# Altium PCB PCB_Kur.PcbDoc
Units mm, origin at the board's own origin, x right, y up, seen from the top; angles counter-clockwise.
Board outline 60 x 40 mm, 2 copper layers (Top Layer, Bottom Layer), stack 1.57 mm thick; 35 components, 22 nets, 155 pads, 47 vias.
Unrouted connection lines stored in the file: 20.
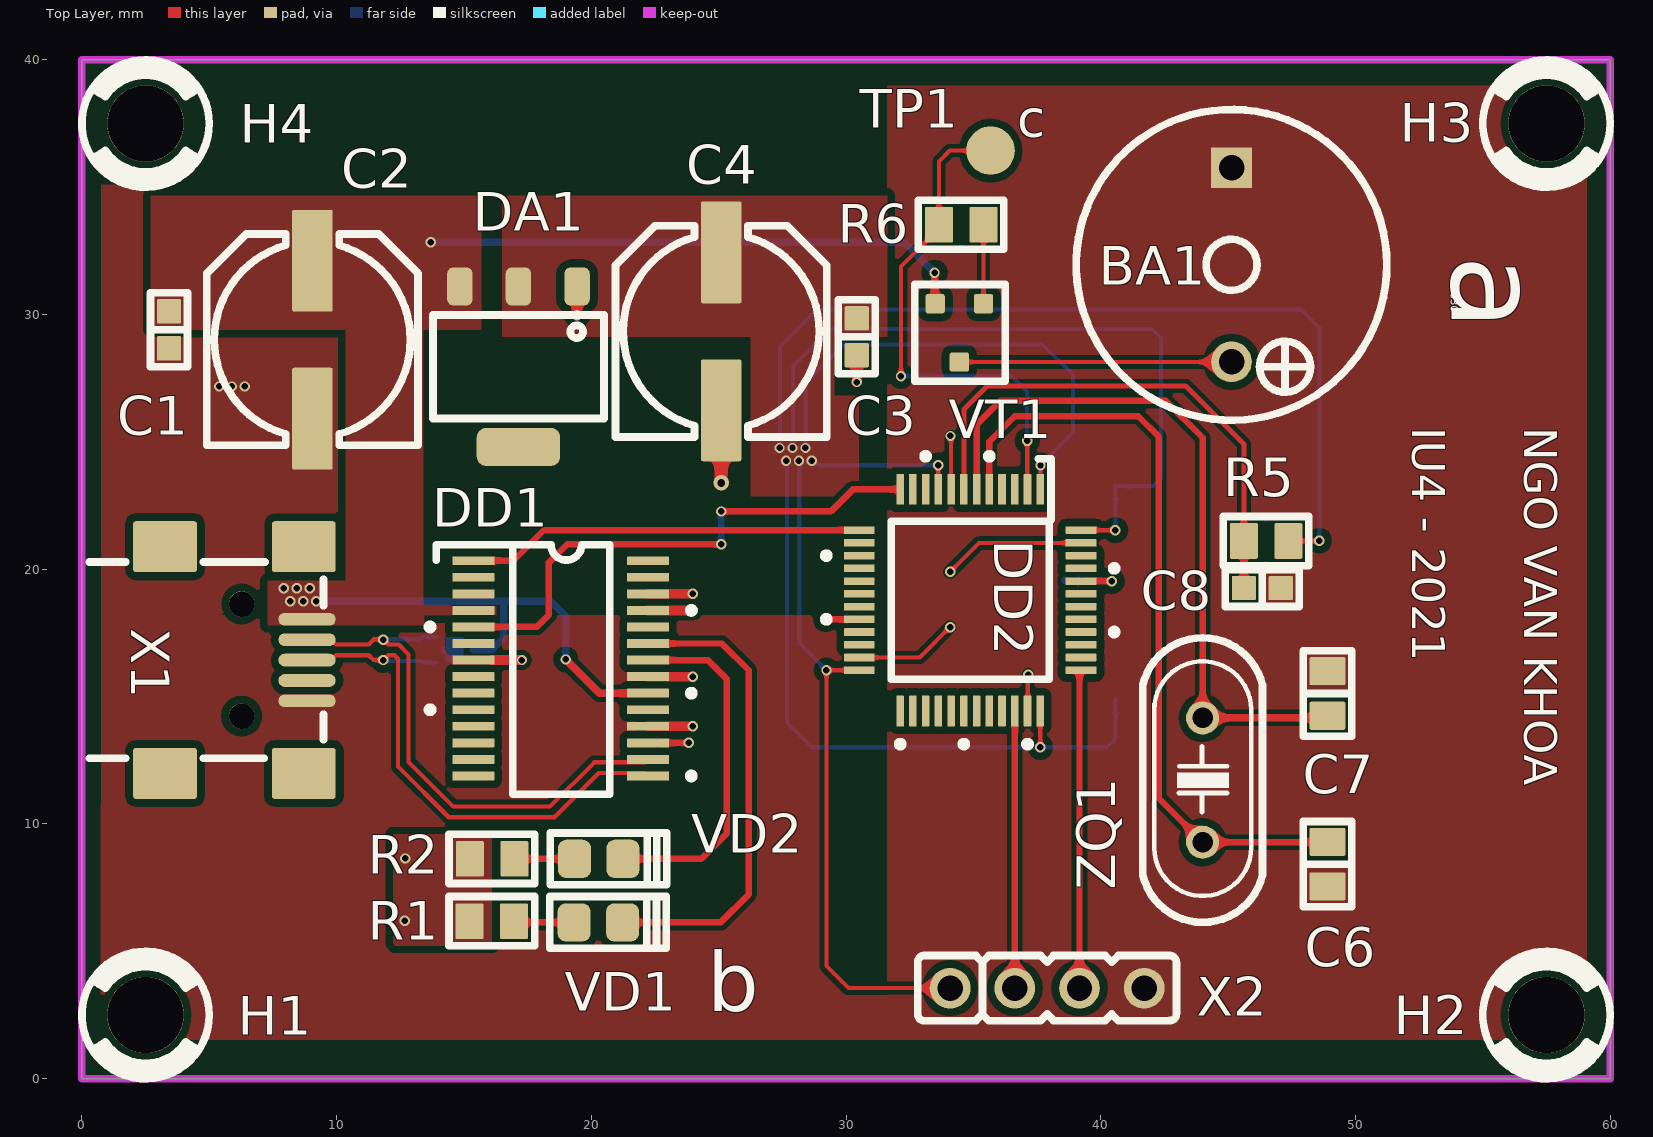
[diagram p0: Top Layer view]
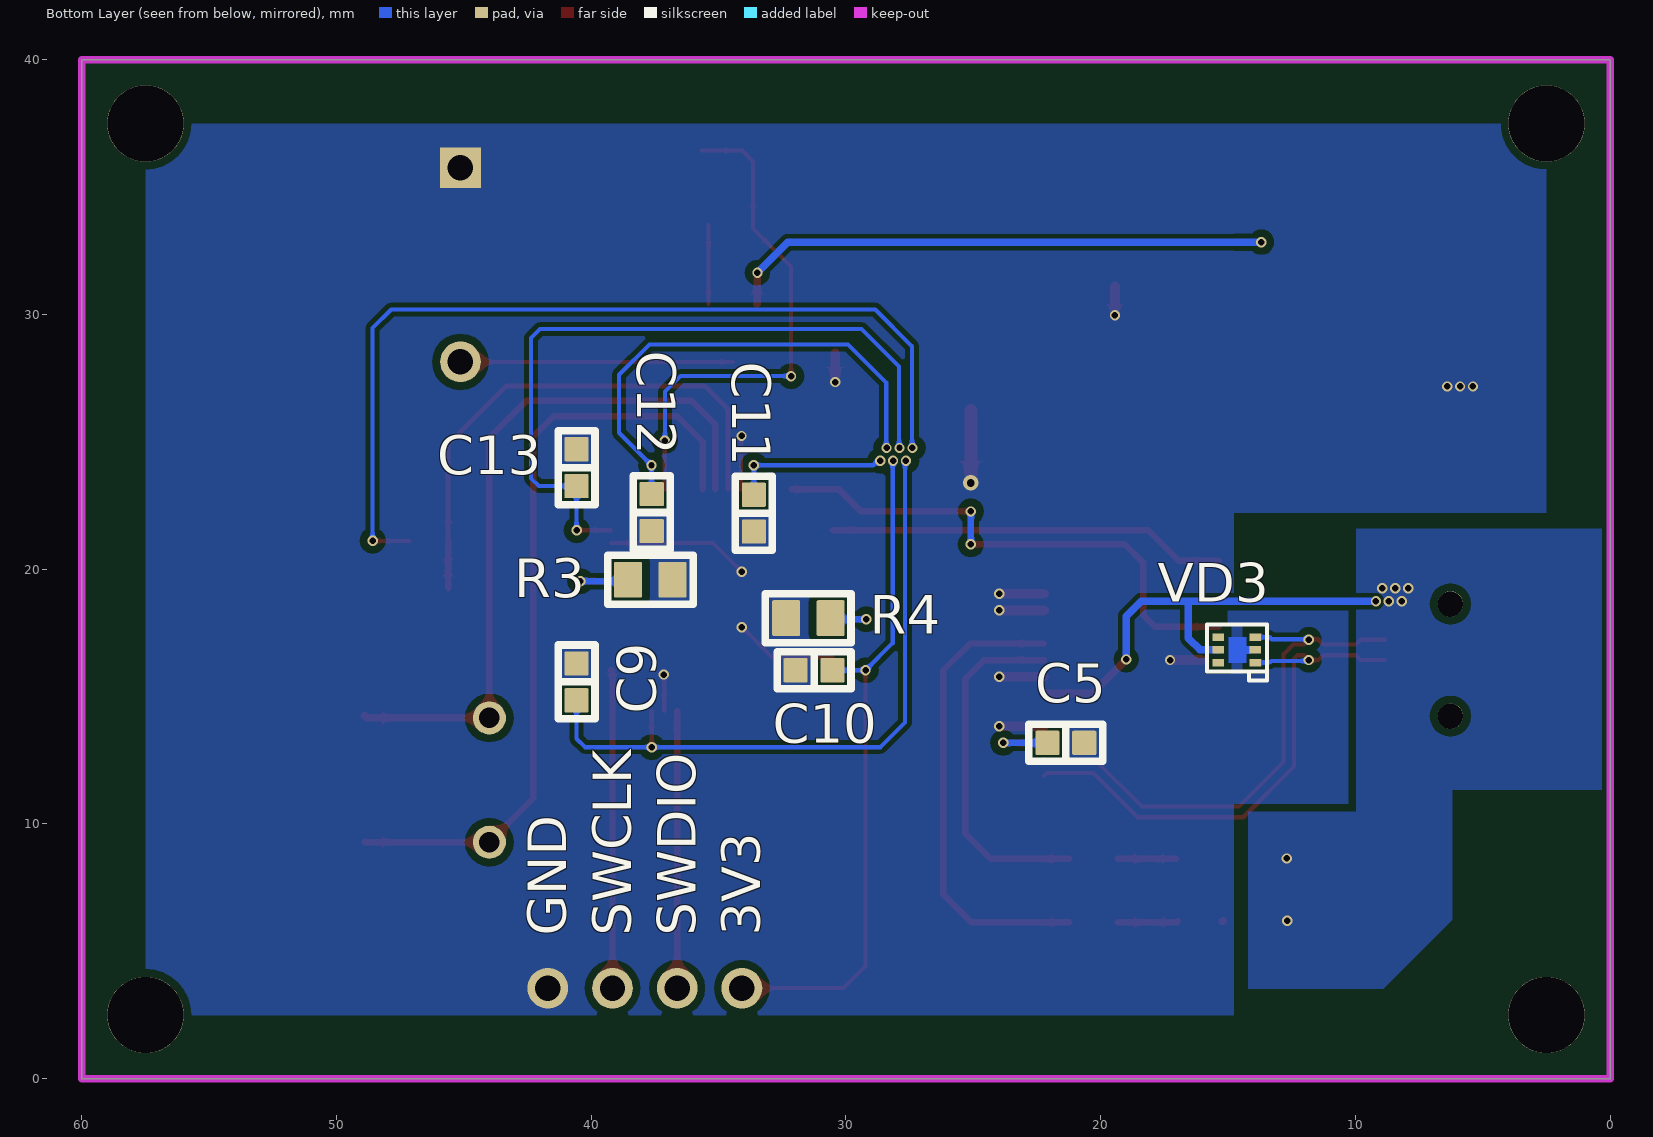
[diagram p1: Bottom Layer view, seen from below]
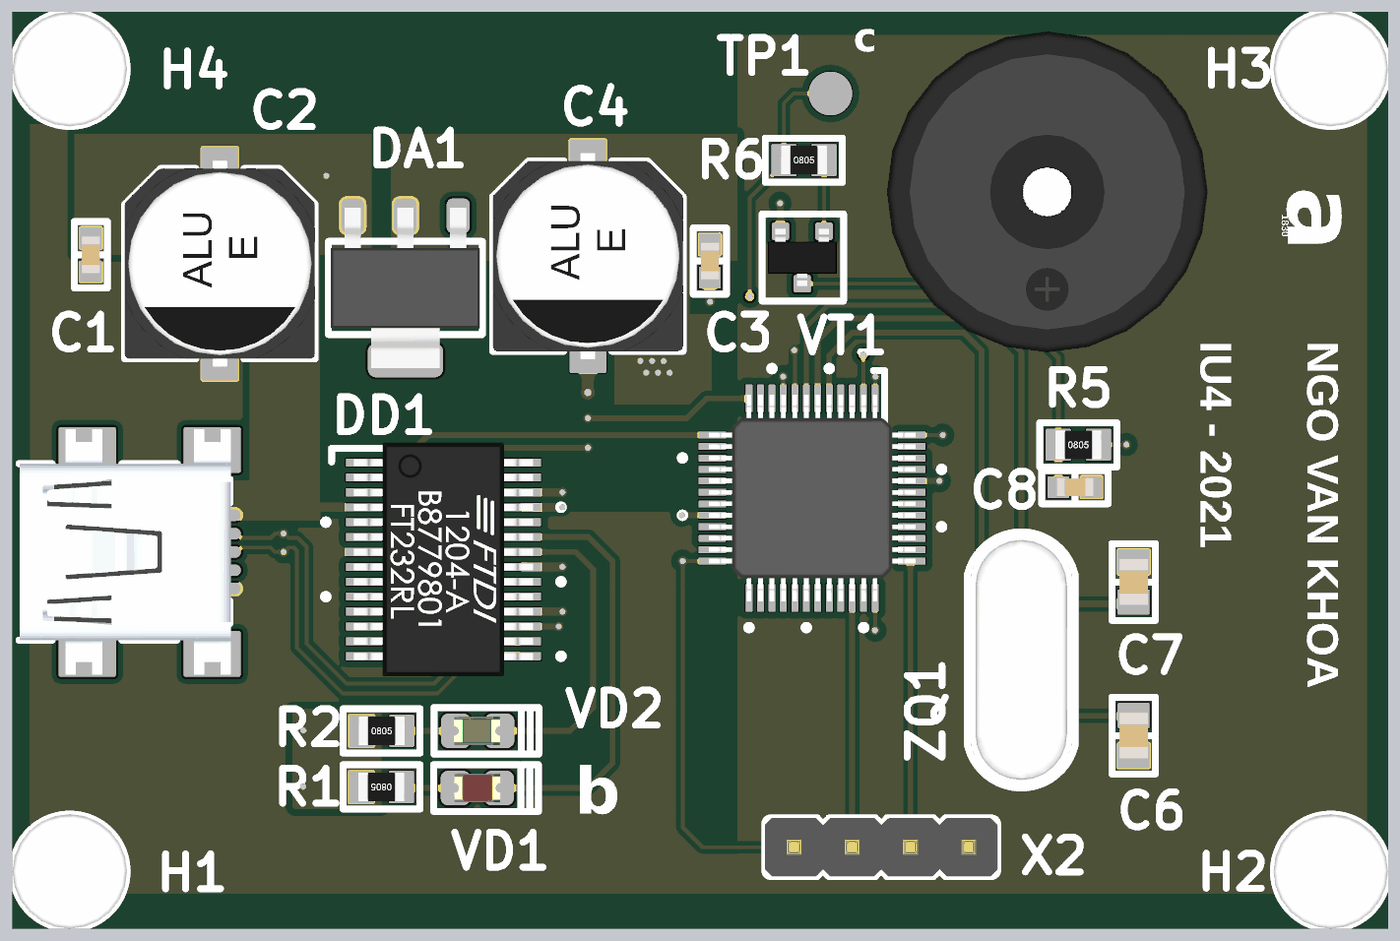
[diagram p2: 3D render of the assembled board from above, using the file's embedded part models]
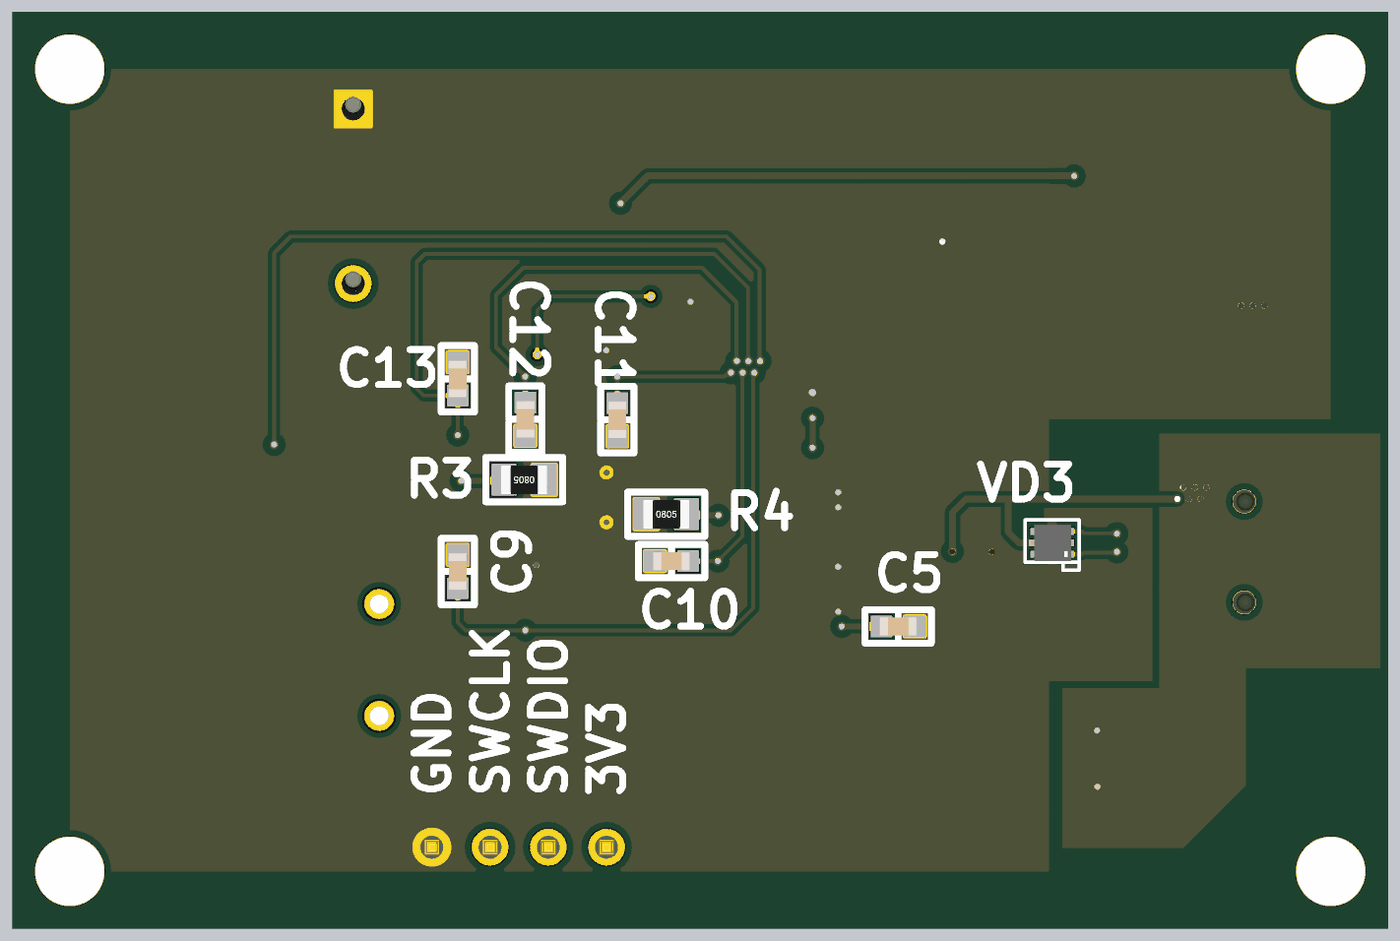
[diagram p3: 3D render of the assembled board from below, using the file's embedded part models]

## Layer stack, top to bottom
Top Solder: solder mask 0.0102, Solder Resist, Dk 3.5
Top Layer: signal copper 0.0356
Dielectric 1: core 1.4986, Core-043, Dk 4.3
Bottom Layer: signal copper 0.0356
Bottom Solder: solder mask 0.0102, Solder Resist, Dk 3.5

## Board outline
0,0 60,0 60,40 0,40

## Design rules (kind name [scope] priority, off if disabled: settings)
Clearance [All] p1: gap=0.3 ignorepadtopadclearanceinfootprint=FALSE except(0: Poly-Region; 0.1: Track-Track Track-SMDPad SMDPad-SMDPad SMDPad-Region THPad-Region; 0.15: Via-Via Via-Hole; 0.18: Track-Poly; 0.2: Arc-Via Track-Via Track-Region SMDPad-Via THPad-Via Poly-Hole)
DiffPairsRouting [All] p1: maxlimit=0.254 minlimit=0.254 mostfreqgap=0.254 toplayer_minwidth=0.165 toplayer_maxwidth=0.381 toplayer_prefwidth=0.381 bottomlayer_minwidth=0.165 bottomlayer_maxwidth=0.381 bottomlayer_prefwidth=0.381 maxuncoupledlength=12.7
HoleSize [All] p1: absolutevalues=TRUE maxlimit=3 minlimit=0.025 maxpercent=80.000 minpercent=20.000
MinimumSolderMaskSliver [All] p1: minsoldermaskwidth=0.025
PlaneConnect [All] p1: planeconnectstyle=Direct reliefexpansion=0.508 reliefentries=4 reliefconductorwidth=0.254 reliefairgap=0.254
PolygonConnect [All] p1: connectstyle=Direct reliefconductorwidth=0.254 reliefentries=4 polygonreliefangle="90 Angle" airgapwidth=0.254
RoutingVias [All] p1: holewidth=0.254 width=0.406 viastyle="Through Hole" minholewidth=0.254 minwidth=0.406 maxholewidth=0.305 maxwidth=0.61
SilkToSilkClearance [All] p1: silktosilkclearance=0.1
SilkToSolderMaskClearance [IsPad] p1: minsilkscreentomaskgap=0.051 clearancetoexposedcopper=TRUE
SolderMaskExpansion [All] p1: expansion=0.102 istentingtop=FALSE
Width [All] p1: maxlimit=0.508 minlimit=0.165 preferedwidth=0.254
24 further rules are at their usual default settings.

## Classes and differential pairs
differential pair USB: +USB_P -USB_N

## Components (designator, comment, footprint, x,y, rotation, side; value= is the part's Value field where it differs from the comment)
BA1 "Buzzer-Active" "28# Buzzer MINI" 45.136,28.143 r90 top
C1 "100nF-25V" "Cap Ceramic 0603 SMD" 3.422,29.402 r90 top
C2 "220uF-10V" "CAP ALU CASE E SMD" 9.049,29.013 r270 top
C3 "100nF-25V" "Cap Ceramic 0603 SMD" 30.422,29.127 r90 top
C4 "220uF-10V" "CAP ALU CASE E SMD" 25.1,29.341 r270 top
C5 "100nF-25V" "Cap Ceramic 0603 SMD" 21.369,13.186 r0 bottom
C6 "22nF-50V" "Cap Ceramic 0805 SMD" 48.902,8.425 r90 top
C7 "22nF-50V" "Cap Ceramic 0805 SMD" 48.902,15.125 r270 top
C8 "100nF-25V" "Cap Ceramic 0603 SMD" 46.345,19.262 r180 top
C9 "100nF-25V" "Cap Ceramic 0603 SMD" 40.577,15.58 r270 bottom
C10 "100nF-25V" "Cap Ceramic 0603 SMD" 31.252,16.036 r180 bottom
C11 "100nF-25V" "Cap Ceramic 0603 SMD" 33.617,22.203 r90 bottom
C12 "100nF-25V" "Cap Ceramic 0603 SMD" 37.627,22.228 r90 bottom
C13 "100nF-25V" "Cap Ceramic 0603 SMD" 40.577,23.989 r270 bottom
DA1 "AMS1117" AMS1117-3.3V 17.141,27.953 r270 top
DD1 "FT232RL" "SSOP 28" 15.369,17.736 r270 top
DD2 "STM32F103" stm32f103c8t6-48LQFP 34.877,18.786 r180 top
H1 "Vit 3mm" "Screw 3 small" 2.5,2.5 r0 top (schematic designator hole1)
H2 "Vit 3mm" "Screw 3 small" 57.5,2.5 r0 top locked (schematic designator hole2)
H3 "Vit 3mm" "Screw 3 small" 57.5,37.5 r0 top locked (schematic designator hole3)
H4 "Vit 3mm" "Screw 3 small" 2.5,37.5 r0 top (schematic designator hole4)
R1 "270R" "Res 0805 SMD" 16.091,6.182 r180 top
R2 "270R" "Res 0805 SMD" 16.106,8.632 r0 top
R3 "4,7K-0,125W" "Res 0805 SMD" 37.684,19.585 r0 bottom
R4 "4,7K-0,125W" "Res 0805 SMD" 31.477,18.086 r180 bottom
R5 "4,7K-0,125W" "Res 0805 SMD" 46.495,21.112 r0 top
R6 "22R" "Res 0805 SMD" 34.524,33.532 r0 top
TP1 "TP1" TP1 35.677,36.436 r90 top
VD1 "Red" "Led 0805R" 20.277,6.136 r0 top
VD2 "Green" "Led 0805G" 20.291,8.632 r0 top
VD3 "VBUS054B-HSF-GS08" LLP75 13.927,16.336 r0 bottom
VT1 "S9012_PNP" SOT-23 34.449,28.482 r180 top
X1 "MiniUSB" USB_MNI_B 8.84,16.436 r270 top
X2 "Gate_4pins" Header_4 37.897,3.556 r0 top
ZQ1 "8 MHz" CRYSTAL-HC49S 44.002,11.725 r270 top

## Footprints (in the part's own frame and the unit in brackets; to place one, negate y for a bottom-side part, rotate by r counter-clockwise, add the part's x,y. Pads: shape width x height; smd on the part's side, far side on the other; paste and mask are expansions set on the pad)
"28# Buzzer MINI" [mm] "PB-12N23P-05Q"
  round 1.6 hole 1 mask+0.05: 1(0,0)
  rect 1.6x1.6 hole 1 mask+0.05: 2(7.62,0)
  silkscreen extent -2.29,-6.1 9.91,6.1, body extent -3,-7 11,7, height 7.35
AMS1117-3.3V [mm] "SOT223, 4-Leads, Body 6.7x7.3mm (max), Pitch 2.30mm, IPC Medium Density"
  rrect50% 1.5x1 smd: 1(-3.15,2.3) 2(-3.15,0) 3(-3.15,-2.3)
  rrect50% 1.5x3.28 smd: 4(3.15,0)
  silkscreen extent -2.03,-3.35 2.03,3.35, body extent -3.5,-3.25 3.5,3.25, height 1.64
"CAP ALU CASE E SMD" [mm]
  rrect10% 4x1.6 smd mask+0.05: 1(-3.1,0) 2(3.1,0)
  silkscreen extent -4.15,-4.15 4.15,4.15, body extent -4.5,-4.15 4.5,4.15, height 6.2
"Cap Ceramic 0603 SMD" [mm] "Reflow Soldering"
  rrect10% 0.95x0.95 smd mask+0.05: 1(-0.725,0) 2(0.725,0)
  silkscreen extent -1.45,-0.72 1.45,0.73, body extent -0.8,-0.4 0.8,0.4, height 0.85
"Cap Ceramic 0805 SMD" [mm] "Reflow Soldering"
  rrect10% 1.1x1.4 smd mask+0.05: 1(-0.875,0) 2(0.875,0)
  silkscreen extent -1.68,-0.95 1.68,0.95, body extent -1,-0.63 1,0.62, height 0.65
CRYSTAL-HC49S [mm]
  round 1.3 hole 0.8 mask+0.1: 1(-2.44,0) 2(2.44,0)
  silkscreen extent -5.59,-2.35 5.59,2.35, body extent -5.49,-2.25 5.49,2.25, height 3.6
Header_4 [mm] "Connector DIP, 4Pin_2.54mm"
  round 1.6 hole 1 mask+0.05: 1(-3.81,0) 2(-1.27,0) 3(1.27,0) 4(3.81,0)
  silkscreen extent -5.08,-1.28 5.08,1.28, body extent -5.08,-1.27 5.08,1.27, height 10.1
"Led 0805G" [mm] "Chip LED; Green; Body 2.0 x 1.3 mm (LxW typ)"
  rrect50% 1.3x1.5 smd: 1(-0.95,0) 2(0.95,0)
  silkscreen extent -1.91,-1.02 2.67,1.02, body extent -1.04,-0.62 0.98,0.62, height 1.1
"Led 0805R" [mm] "Chip LED; RED ; Body 2.0 x 1.3 mm (LxW typ)"
  rrect50% 1.3x1.5 smd: 1(-0.95,0) 2(0.95,0)
  silkscreen extent -1.91,-1.02 2.67,1.02, body extent -1.01,-0.63 1.01,0.62, height 1.1
LLP75 [mm] "LLP75"
  rect 0.45x0.3 smd mask+0.05: 1(0,0) 2(0,-0.5) 3(0,-1) 4(1.45,0) 5(1.45,-0.5) 6(1.45,-1)
  Top Layer region: 0.2,-0.35 0.2,-0.65 0.35,-0.65 0.35,-1 1.05,-1 1.05,0 0.35,0 0.35,-0.35
  silkscreen extent -0.45,-1.5 1.9,0.7, body extent -0.11,-1.3 1.51,0.3, height 0.63
"Res 0805 SMD" [mm] "Reflow Soldering"
  rrect10% 1.1x1.4 smd mask+0.05: 1(-0.875,0) 2(0.875,0)
  silkscreen extent -1.69,-0.97 1.67,0.96, body extent -1,-0.62 1,0.63, height 0.62
"Screw 3 small" [mm] "Hole 3mm, outline 5mm"
  round 3 hole 3 mask+0.05: 1(0,0)
  silkscreen extent -2.5,-2.5 2.5,2.5, body extent -2.5,-2.5 2.5,2.5, height 1.73
SOT-23 [mm]
  rrect25% 0.76x0.76 smd mask+0.1: 1(-0.95,-1.945) 2(0.95,-1.945) 3(0,0.345)
  silkscreen extent -1.8,-2.7 1.75,1.1, body extent -1.5,-2.05 1.5,0.45, height 1.15
"SSOP 28" [mm] "TSSOP PW 28  PIN TO PIN 0.65"
  rrect10% 0.35x1.65 smd mask+0.05: 1(-2.6,0) 2(-1.95,0) 3(-1.3,0) 4(-0.65,0) 5(0,0) 6(0.65,0) 7(1.3,0) 8(1.95,0) 9(2.6,0) 10(3.25,0) 11(3.9,0) 12(4.55,0) 13(5.2,0) 14(5.85,0) 15(5.85,6.858) 16(5.2,6.858) 17(4.55,6.858) 18(3.9,6.858) 19(3.25,6.858) 20(2.6,6.858) 21(1.95,6.858) 22(1.3,6.858) 23(0.65,6.858) 24(0,6.858) 25(-0.65,6.858) 26(-1.3,6.858) 27(-1.95,6.858) 28(-2.6,6.858)
  silkscreen extent -3.23,-1.8 6.58,8.66, body extent -3.47,-0.48 6.73,7.33, height 2
stm32f103c8t6-48LQFP [mm] "LQFP-48"
  rrect10% 0.3x1.2 smd mask+0.05: 1(-2.75,-4.35) 2(-2.25,-4.35) 3(-1.75,-4.35) 4(-1.25,-4.35) 5(-0.75,-4.35) 6(-0.25,-4.35) 7(0.25,-4.35) 8(0.75,-4.35) 9(1.25,-4.35) 10(1.75,-4.35) 11(2.25,-4.35) 12(2.75,-4.35) 25(2.75,4.35) 26(2.25,4.35) 27(1.75,4.35) 28(1.25,4.35) 29(0.75,4.35) 30(0.25,4.35) 31(-0.25,4.35) 32(-0.75,4.35) 33(-1.25,4.35) 34(-1.75,4.35) 35(-2.25,4.35) 36(-2.75,4.35)
  rrect10% 1.2x0.3 smd mask+0.05: 13(4.35,-2.75) 14(4.35,-2.25) 15(4.35,-1.75) 16(4.35,-1.25) 17(4.35,-0.75) 18(4.35,-0.25) 19(4.35,0.25) 20(4.35,0.75) 21(4.35,1.25) 22(4.35,1.75) 23(4.35,2.25) 24(4.35,2.75) 37(-4.35,2.75) 38(-4.35,2.25) 39(-4.35,1.75) 40(-4.35,1.25) 41(-4.35,0.75) 42(-4.35,0.25) 43(-4.35,-0.25) 44(-4.35,-0.75) 45(-4.35,-1.25) 46(-4.35,-1.75) 47(-4.35,-2.25) 48(-4.35,-2.75)
  silkscreen extent -5.75,-5.75 5.75,5.75, body extent -4.51,-4.51 4.51,4.51, height 1.56
TP1 [mm]
  round 1.905 smd mask+0.05: 1(0,0)
USB_MNI_B [mm] "USB_MINI_B 9.2mmX7.75mm"
  oval 0.5x2.25 smd: 1(-1.6,0) 2(-0.8,0) 3(0,0) 4(0.8,0) 5(1.6,0)
  rrect10% 2x2.5 smd: 6(-4.45,-0.125) 7(4.45,-0.125) 8(-4.45,-5.575) 9(4.45,-5.575)
  round 1 hole 1 mask+0.05: HOLE1(-2.2,-2.57) HOLE2(2.2,-2.57)
  silkscreen extent -3.85,-8.55 3.85,0.64, body extent -5.35,-8.52 5.35,0.68, height 3.95

## Part data
BA1: library part Buzzer
C1 C3 C5 C8 C9 C10 C11 C12 C13: library part Cap_100nF
C2 C4: library part ECAP_220uF
C6 C7: library part Cap_22nF
DA1: library part AMS1117-3.3
DD2: library part STM32F103C8T6
R1 R2: library part Res_270
R3 R4 R5: library part Res_4K7
R6: library part Res_22R
TP1: library part Test_point
VD1: library part LED_red
VD2: library part LED_green
VT1: library part Trans_S9012_PNP
X1: library part Mini_USB
ZQ1: library part "Quartz resonator_8MHz"

## Via types
v1: diameter 0.406, hole 0.254, Top Layer to Bottom Layer, tented both sides, 42 vias
v2: diameter 0.406, hole 0.254, Top Layer to Bottom Layer, 4 vias
v3: diameter 0.61, hole 0.305, Top Layer to Bottom Layer, tented both sides, 1 vias

## Nets (pads, with @x,y where several pads share a name; then routed paths per layer and width w, separated by ;. In a path a pad name is that pad's centre, name@x,y a point inside that pad or via, vN(x,y) a via of type N, cw(c..) or ccw(c..) an arc to the next point about the centre after c; other vN are vias at no path point)
+3V3: C3.2 C4.1 C9.2 C10.2 C11.2 C12.2 C13.2 DA1.2 DD2.1 DD2.9 DD2.24 DD2.36 DD2.48 R5.2 X2.1 | length 146.9
  Top Layer w0.165: DD2.24@30.527,16.036 v1(29.232,16.036) 29.232,4.423 30.099,3.556 X2.1 ; DD2.9@33.622,23.141 v1@33.622,24.081 ; v1(37.627,13.016) DD2.36 ; DD2.1 37.632,23.141 37.632,24.081 v1(37.637,24.086) ; DD2.48 v1(40.577,21.536) ; R5.2@47.145,21.112 R5.2 v1@48.584,21.112
  Bottom Layer w0.165: v1@27.407,24.79 27.407,28.754 28.853,30.201 47.854,30.201 48.584,29.47 v1(48.584,21.122) ; v1@27.661,24.282 27.686,24.257 27.686,13.982 28.651,13.016 v1(37.627,13.016) 40.245,13.016 40.577,13.348 C9.2 ; v1@27.915,24.79 27.915,27.965 29.388,29.439 42.012,29.439 42.367,29.083 42.367,23.571 42.06,23.264 C13.2 v1(40.577,21.536) ; v1@28.169,24.282 28.169,17.1 v1(29.232,16.036) C10.2 ; v1@28.423,24.79 28.423,27.33 29.921,28.829 37.719,28.829 38.913,27.635 38.913,25.362 v1(37.637,24.086) 37.637,22.963 C12.2 ; v1@28.677,24.282 28.742,24.282 28.938,24.086 v1(33.617,24.086) C11.2
  other v1: 27.645,24.256 28.153,24.256 28.661,24.256 27.391,24.764 27.899,24.764 28.407,24.764
+5V: C1.2 C2.1 DA1.3 DD1.4 DD1.20 R1.2 R2.1 VD3.5 VT1.2 X1.1 | length 39.9
  Top Layer w0.3: R1.2@15.2,6.198 R1.2 ; v1(18.999,16.459) 20.322,15.136 DD1.20 ; v1(33.477,31.648) 33.488,31.637 33.488,30.438 VT1.2
  Bottom Layer w0.3: v1(9.195,18.745) 16.561,18.745 ; v1(13.691,32.842) 32.283,32.842 v1(33.477,31.648) ; VD3.5 16.099,16.836 16.561,17.297 16.561,18.745 ; v1(18.999,16.459) 18.999,18.161 18.415,18.745 16.561,18.745
  other v1: 12.675,6.198 12.69,8.648 8.179,18.745 8.687,18.745 7.925,19.253 8.433,19.253 8.941,19.253
GND: BA1.2 C1.1 C2.2 C3.1 C4.2 C5.1 C6.1 C7.1 C8.1 C9.1 C10.1 C11.1 C12.1 C13.1 DA1.1 DD1.7 DD1.18 DD1.21 DD1.25 DD1.26 DD2.8 DD2.23 DD2.35 DD2.47 R3.1 R4.1 VD3.2 X1.5 X2.4 | length 26.5
  Top Layer w0.165: DD2.23 32.894,16.536 v2(34.087,17.729) ; v2(34.087,19.9) 35.223,21.036 DD2.47 ; DD2.8 v1@34.127,25.208 ; DD2.35 37.139,14.448 37.139,15.854 v1(37.152,15.867)
  Top Layer w0.381: DD1.7@16.053,16.436 v1(17.277,16.436) ; v1(19.441,29.978) DA1.1 ; DD1.18 v1(23.987,13.836) ; DD1.21 v1(23.987,15.786) ; DD1.25 v1(23.987,18.386) ; DD1.26 v1(23.987,19.036) ; v1(30.422,27.352) C3.1@30.422,28.477
  Top Layer w0.508: v3(25.1,23.391) C4.2
  other v1: 34.1,25.235 5.385,27.178 5.893,27.178 6.401,27.178
NetBA1_1: BA1.1 VT1.3 | length 10.7
  Top Layer w0.165: VT1.3 45.129,28.137 BA1.1
NetC5_2: C5.2 DD1.17 | length 3.3
  Top Layer w0.254: DD1.17 v1(23.827,13.186)
  Bottom Layer w0.254: C5.2 v1(23.827,13.186)
NetC6_2: C6.2 DD2.5 ZQ1.2 | length 30.8
  Top Layer w0.254: DD2.5 35.627,25.01 36.627,26.01 41.478,26.01 42.277,25.211 42.277,11.01 ZQ1.2 48.887,9.285 C6.2
NetC7_2: C7.2 DD2.6 ZQ1.1 | length 28.3
  Top Layer w0.254: DD2.6 35.127,25.678 36.068,26.619 42.545,26.619 44.002,25.162 ZQ1.1
  Top Layer w0.3: ZQ1.1 48.817,14.165 C7.2
NetC8_2: C8.2 DD2.7 R5.1 | length 21.1
  Top Layer w0.2: DD2.7 34.627,26.27 35.56,27.203 43.332,27.203 45.62,24.916 R5.1
  Top Layer w0.254: C8.2 R5.1
NetDD1_1: DD1.1 DD2.13 | length 15.7
  Top Layer w0.254: DD1.1 16.932,20.336 18.132,21.536 DD2.13
NetDD1_5: DD1.5 DD2.12 | length 21
  Top Layer w0.254: DD1.5 17.863,17.736 18.339,18.212 18.339,20.269 19.052,20.982 v1(25.1,20.982) ; v1(25.1,22.271) 29.408,22.271 30.273,23.136 DD2.12
  Bottom Layer w0.254: v1(25.1,20.982) v1(25.1,22.271)
NetDD1_22: DD1.22 VD2.2 | length 14
  Top Layer w0.254: VD2.2 24.323,8.632 25.327,9.636 25.327,15.686 24.577,16.436 DD1.22
NetDD1_23: DD1.23 VD1.2 | length 18.6
  Top Layer w0.254: VD1.2 25.077,6.136 26.177,7.236 26.177,16.036 25.127,17.086 DD1.23
NetDD2_20: DD2.20 R4.2 | length 2.7
  Top Layer w0.254: v1(29.202,18.036) DD2.20@30.502,18.036
  Bottom Layer w0.254: v1(29.202,18.036) 30.552,18.036 R4.2
NetDD2_34: DD2.34 X2.2 | length 10.9
  Top Layer w0.254: X2.2 DD2.34
NetDD2_37: DD2.37 X2.3 | length 12.5
  Top Layer w0.254: X2.3 39.167,16.013 39.19,16.036 DD2.37
NetDD2_44: DD2.44 R3.2 | length 3.1
  Top Layer w0.254: DD2.44 v1(40.427,19.536)
  Bottom Layer w0.254: R3.2 38.608,19.536 v1(40.427,19.536)
NetR1_1: R1.1 VD1.1 | length 2.4
  Top Layer w0.254: R1.1 17.012,6.136 VD1.1
NetR2_2: R2.2 VD2.1 | length 2.3
  Top Layer w0.254: R2.2@17.041,8.632 VD2.1
NetR6_2: R6.2 VT1.1 | length 3.1
  Top Layer w0.165: VT1.1 R6.2
OUT: DD2.2 R6.1 TP1.1 | length 20.3
  Top Layer w0.165: v2(32.156,27.584) 32.156,31.889 33.649,33.382 33.649,36.011 34.074,36.436 TP1.1 ; v2(37.109,25.044) 37.118,25.036 37.118,23.145 DD2.2
  Bottom Layer w0.165: v2(32.156,27.584) 36.5,27.584 37.109,26.975 v2(37.109,25.044)
USB_N: DD1.16 VD3.3 X1.2 | length 21.7
  Top Layer w0.165: X1.2 9.789,17.236 9.979,17.046 11.263,17.046 11.471,17.253 11.81,17.253 v1(11.827,17.236) 11.851,17.236 12.041,17.046 12.443,17.046 12.827,16.662 12.827,12.436 14.577,10.686 18.384,10.686 20.119,12.421 22.112,12.421 DD1.16
  Bottom Layer w0.165: v1(11.827,17.236) 11.844,17.253 13.285,17.253 13.367,17.336 VD3.3
USB_P: DD1.15 VD3.1 X1.3 | length 21.6
  Top Layer w0.165: X1.3 9.789,16.436 9.979,16.626 11.263,16.626 11.453,16.436 v1(11.827,16.436) 11.851,16.436 12.041,16.626 12.27,16.626 12.408,16.488 12.408,12.262 14.403,10.267 18.558,10.267 20.292,12.001 22.112,12.001 DD1.15
  Bottom Layer w0.165: v1(11.827,16.436) 11.862,16.401 13.303,16.401 13.367,16.336 VD3.1
pads on no net: DA1.4 DD1.2 DD1.3 DD1.6 DD1.8 DD1.9 DD1.10 DD1.11 DD1.12 DD1.13 DD1.14 DD1.19 DD1.24 DD1.27 DD1.28 DD2.3 DD2.4 DD2.10 DD2.11 DD2.14 DD2.15 DD2.16 DD2.17 DD2.18 DD2.19 DD2.21 DD2.22 DD2.25 DD2.26 DD2.27 DD2.28 DD2.29 DD2.30 DD2.31 DD2.32 DD2.33 DD2.38 DD2.39 DD2.40 DD2.41 DD2.42 DD2.43 DD2.45 DD2.46 H1.1 H2.1 H3.1 H4.1 VD3.4 VD3.6 X1.4 X1.6 X1.7 X1.8 X1.9 X1.HOLE1 X1.HOLE2

## Polygon pours and split planes (outlines as drawn)
GND on Top Layer "Top Layer-GND" (solid, remove dead copper, pour order 21): 0.762,18.161 7.29,18.161 7.29,19.558 10.35,19.558 10.35,29.185 2.492,29.185 2.486,35.103 0.762,35.103
GND on Top Layer "Top Layer-GND 3" (solid, remove dead copper, pour order 15): 31.62,1.524 0.748,1.524 0.759,18.193 31.62,18.193
GND on Top Layer "Top Layer-GND 4" (solid, remove dead copper, pour order 13): 59.08,38.989 31.623,38.989 31.623,1.524 59.08,1.524
+5V on Top Layer "+5V_L01_P011" (solid, pour order 11): 10.363,29.693 10.35,29.68 10.35,19.507 13.411,19.507 13.411,29.693
+3V3 on Top Layer "+3V3_L01_P010" (solid, pour order 10): 26.264,22.86 30.505,22.86 30.505,26.821 29.54,26.823 29.54,29.159 26.264,29.159
+3V3 on Top Layer "+3V3_L01_P008" (solid, pour order 8): 16.51,29.127 31.623,29.127 31.623,34.671 16.51,34.671
+5V on Top Layer "gnd" (solid, pour order 4): 16.269,18.186 13.437,18.186 13.437,17.805 7.29,17.805 7.29,19.558 13.411,19.558 13.411,18.593 16.269,18.593
+5V on Top Layer "gnd" (solid, pour order 6): 16.099,9.592 16.099,5.222 12.217,5.222 12.217,9.592
+5V on Top Layer "gnd" (solid, pour order 5): 2.697,29.402 2.697,34.671 15.672,34.671 15.672,29.402
GND on Bottom Layer "GND_L02_P025" (solid, pour order 25): 10.287,18.364 15.011,18.364 15.011,10.795 10.287,10.795
GND on Bottom Layer "GND_L02_P024" (solid, pour order 24): 2.5,37.5 14.783,37.5 14.783,22.225 2.5,22.225 2.5,23.353
+5V on Bottom Layer "Bottom Layer-+5V" (solid, remove dead copper, pour order 23): 6.198,11.354 6.198,6.248 8.915,3.531 14.199,3.531 14.199,10.49 9.97,10.49 9.97,11.354
GND on Bottom Layer "GND_L02_P012" (solid, pour order 12): 14.783,37.5 14.783,2.5 57.5,2.5 57.5,37.5
+5V on Bottom Layer "gnd" (solid, pour order 7): 0.33,21.59 9.97,21.59 9.97,11.354 0.33,11.354

## Keep-outs
Keep-Out Layer:
  the board outline again, w0.3

## Silkscreen, mask and mechanical layers (free items; w line width, h text height)
Top Overlay:
  text "c" at 36.728,36.474 h2.5
  text "a" at 52.629,32.334 h6 r270
  text "1830" at 53.645,31.115 h0.5 r270
  text "NGO VAN KHOA /  / IU4 - 2021" at 51.791,25.578 h2.2 r270
  text "b" at 24.562,1.88 h4
Bottom Overlay:
  text "3V3" at 33.358,5.613 h1.5 r270
  text "SWDIO" at 35.898,5.613 h1.5 r270
  text "SWCLK" at 38.438,5.613 h1.5 r270
  text "GND" at 40.978,5.613 h1.5 r270
Dimensions:
  text "Units: millimeters" at 65.662,54.837 h2.03
  text "Scale: 1:1" at 65.662,49.937 h2.03

## Dimensions
2.5,37.5 to 2.5,2.5 on Dimensions
2.5,37.5 to 57.5,37.5 on Dimensions

## Text inside footprints (layer, text, board x,y; h text height)
BA1: Mechanical 2 "2" at 45.736,35.463 h1.2 r90; Mechanical 2 "1" at 45.636,27.943 h1.2 r90
DA1: Mechanical 2 "3" at 15.251,29.528 h1.2 r180; Mechanical 2 "2" at 17.456,29.528 h1.2 r180; Mechanical 2 "1" at 19.661,29.528 h1.2 r180
DD1: Mechanical 2 "14" at 16.669,12.786 h0.8 r270; Mechanical 2 "15" at 20.069,12.786 h0.8 r270; Mechanical 2 "28" at 20.069,20.536 h0.8 r270
DD2: Mechanical 2 "25" at 33.677,16.186 h0.8 r180; Mechanical 2 "24" at 31.477,17.286 h0.8 r270; Mechanical 2 "13" at 31.477,21.686 h0.8 r270; Mechanical 2 "12" at 33.577,22.186 h0.8 r180; Mechanical 2 "36" at 37.777,16.186 h0.8 r180; Mechanical 2 "37" at 37.477,17.286 h0.8 r270; Mechanical 2 "48" at 37.577,21.286 h0.8 r270
VD3: Mechanical 2 "1" at 13.507,16.556 h0.5 r180
X1: Mechanical 2 "1" at 6.3,18.214 h1.2 r270; Mechanical 2 "5" at 6.3,15.166 h1.2 r270
X2: Mechanical 2 "4" at 42.297,4.156 h1.2 r180; Mechanical 2 "1" at 34.297,4.156 h1.2 r180